# Allegro board HB1A-AAFM.brd (continued)
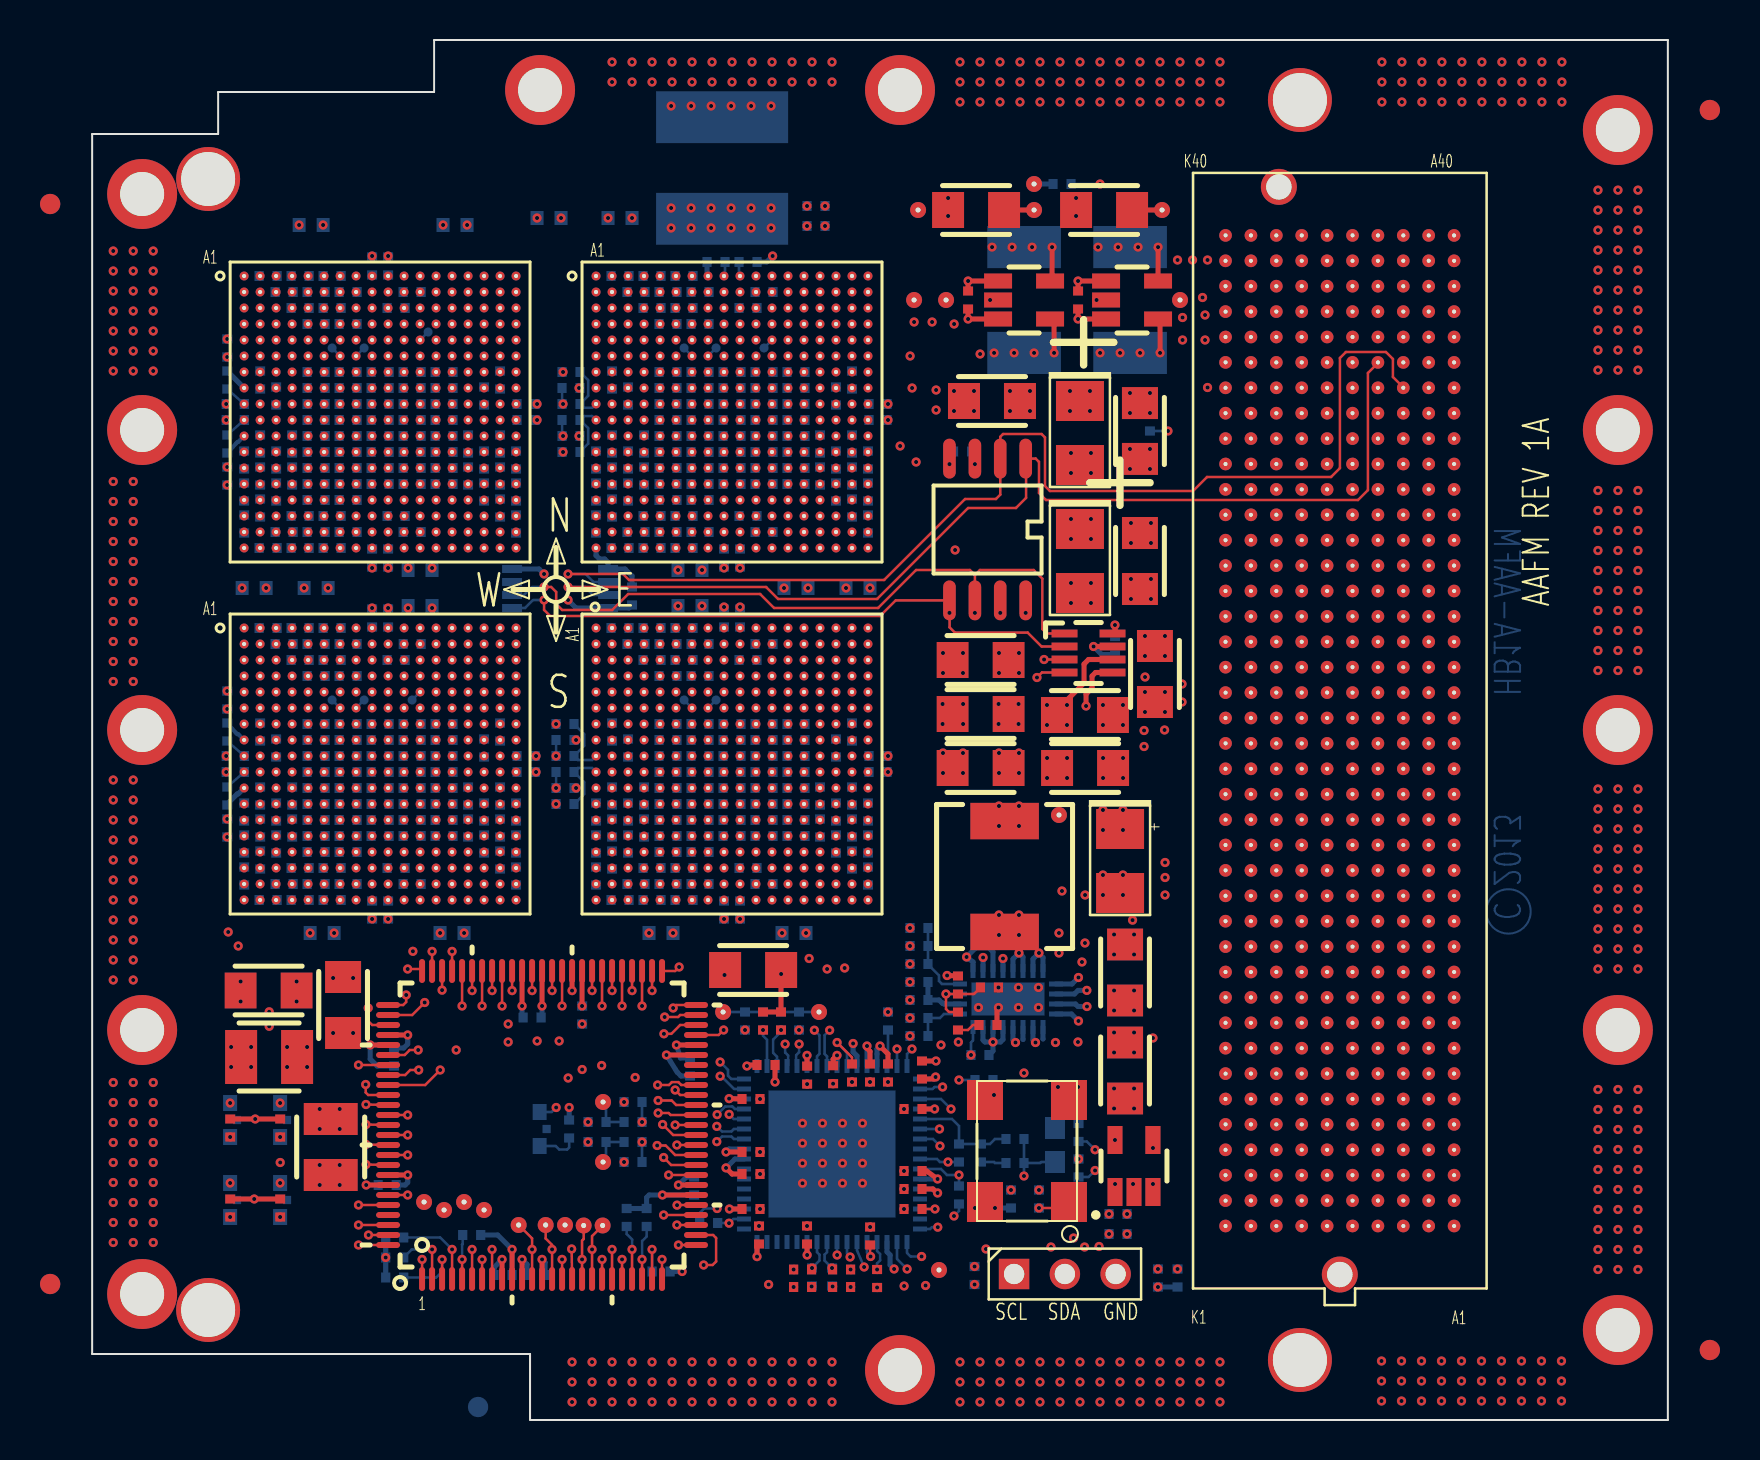
[diagram p0: board, top side]
## Routing (per net, layer and track width the routed paths; a pad name or vN(x,y) marks a point on that pad's centre or on a via; arc(x,y) is an arc through that point) (continued)
UL_UR_EW_DATA_N_4: length 29.3
  SIGNAL_L5-X w0.114: U4.R1 24.6,46 24.23,45.63 24.23,44.17 23.59,43.52 22.82,43.52 22.25,44.1 22.25,49.4 22.64,49.79 22.64,50.96 22.46,51.14 22.46,51.84 22.3,52 21.8,52 21.6,51.8 21.6,46.6 21.4,46.4 21,46.4 20.8,46.6 20.8,53.4 20.6,53.6 19.2,53.6 U3.E15
UL_UR_EW_DATA_N_5: length 29.5
  SIGNAL_L5-X w0.114: U3.D16 20,54.4 21.5,54.4 21.82,54.08 21.82,53.55 21.97,53.4 22.15,53.4 22.26,53.51 22.26,57.16 22.35,57.25 22.55,57.25 22.7,57.1 22.7,56.8 22.8,56.7 23.05,56.7 23.15,56.8 23.15,57.15 23.25,57.25 23.45,57.25 23.58,57.12 23.58,53.4 22.92,52.74 22.92,51.31 23.08,51.15 23.08,50.41 23.2,50.29 23.48,50.29 23.6,50.17 23.6,49.93 23.48,49.81 23.2,49.81 23.08,49.69 23.08,49.51 22.69,49.11 22.69,44.31 23.04,43.96 23.4,43.96 23.79,44.35 23.79,46.09 24.9,47.2 25.6,47.2 U4.P2
UL_UR_EW_DATA_N_6: length 29.4
  SIGNAL_L5-X w0.114: U3.C17 20.8,55.2 21.5,55.2 21.82,55.52 21.82,58.62 21.91,58.7 22.09,58.7 22.2,58.6 22.2,58.02 22.3,57.92 22.52,57.92 22.6,58 22.6,58.6 22.7,58.7 22.9,58.7 23,58.6 23,58.02 23.1,57.92 23.32,57.92 23.4,58 23.4,58.6 23.5,58.7 23.67,58.7 23.78,58.59 23.78,58.02 24,57.8 24.45,57.8 24.6,57.65 24.59,57.65 24.59,56.5 24.48,56.38 24.22,56.38 24.1,56.26 24.1,56.02 24.22,55.9 24.48,55.9 24.59,55.78 24.59,55.54 24.48,55.42 24.22,55.42 24.1,55.3 24.1,55.06 24.22,54.94 24.48,54.94 24.59,54.82 24.59,54.58 24.48,54.46 24.22,54.46 24.1,54.34 24.1,54.1 24.22,53.98 24.48,53.98 24.59,53.86 24.59,53.25 23.96,52.62 23.96,51.34 24.59,50.7 24.59,49.6 24.75,49.45 24.75,49 24.55,48.8 24.21,48.8 24.2,48.79 24.19,48.79 23.94,48.54 23.94,47.46 24.1,47.3 24.28,47.3 24.48,47.5 24.48,47.93 24.75,48.2 24.75,48.6 24.95,48.8 26.2,48.8 26.4,48.6 26.4,48.2 26.6,48 U4.N3
UL_UR_EW_DATA_N_7: length 29.2
  SIGNAL_L5-X w0.114: U3.B18 20.8,56.8 20.8,57.85 20.3,58.35 20.3,58.65 20.62,58.97 21.37,58.97 21.62,59.22 26.33,59.22 26.55,59 26.55,58.05 27.2,57.4 27.2,56.2 27,56 25.8,56 25.6,55.8 25.6,55.4 25.8,55.2 27,55.2 27.2,55 27.2,54.6 27,54.4 25.8,54.4 25.6,54.2 25.6,53.8 25.8,53.6 27,53.6 27.2,53.4 27.2,53.02 26.98,52.8 25.8,52.8 25.6,52.6 25.6,50.6 25.8,50.4 27.8,50.4 28,50.2 28,48.8 U4.M4
UL_UR_EW_DATA_P_0: length 29.3
  SIGNAL_L5-X w0.114: U4.T1 24.68,44.68 24.68,43.99 23.77,43.08 22.64,43.08 21.78,43.94 21.78,44.52 21.5,44.8 21,44.8 20.8,45 20.8,45.4 20.6,45.6 20.2,45.6 20,45.8 20,46.2 19.8,46.4 19.4,46.4 19.2,46.6 19.2,47 19,47.2 18.6,47.2 18.4,47.4 18.4,47.8 18.2,48 17.8,48 17.6,48.2 17.6,48.6 17.4,48.8 17,48.8 16.8,49 16.8,49.4 16.6,49.6 16.2,49.6 16,49.8 16,50.2 15.8,50.4 15.4,50.4 15.2,50.6 15.2,51 15,51.2 14.6,51.2 14.4,51.4 14.4,53.4 14.6,53.6 15,53.6 15.2,53.4 15.2,51.4 15.4,51.2 15.8,51.2 16,51.4 16,52.6 16.2,52.8 16.6,52.8 16.8,52.6 16.8,52.1 16.9,52 17.4,52 17.6,51.8 17.6,51.4 17.8,51.2 18.7,51.2 18.8,51.3 U3.H15
UL_UR_EW_DATA_P_1: length 29
  SIGNAL_L8-X w0.089: U3.G16 19.8,52 20,51.8 20,51.4 20.2,51.2 21.34,51.2 22.09,51.94 22.09,52.91 22.57,53.4 22.7,53.4 22.81,53.29 22.81,53.14 22.5,52.84 22.5,51.6 21.6,50.7 21.6,46.55 21.45,46.4 21,46.4 20.8,46.6 20.8,47 20.6,47.2 20.2,47.2 20,47.4 20,47.8 19.8,48 19.4,48 19.2,47.8 19.2,47.4 19.4,47.2 19.8,47.2 20,47 20,46.6 20.2,46.4 20.6,46.4 20.8,46.2 20.8,45.8 21,45.6 21.4,45.6 21.6,45.4 21.6,45 21.82,44.78 21.82,44.33 22.95,43.2 23.58,43.2 24.54,44.17 24.54,46.04 24.9,46.4 25.6,46.4 U4.R2
UL_UR_EW_DATA_P_2: length 29.2
  SIGNAL_L8-X w0.089: U4.P3 26.41,47.19 24.88,47.19 24.1,46.4 24.1,44.35 23.73,43.98 23.73,43.98 23.5,43.75 23.09,43.75 22.26,44.58 22.26,49.42 22.94,50.1 22.94,52.65 23.92,53.63 23.92,56.53 23.8,56.65 23.6,56.65 23.3,56.35 23.15,56.35 23.05,56.45 23.05,56.65 22.95,56.75 22.74,56.75 22.59,56.6 22.59,55.94 22.47,55.82 22.17,55.82 22.05,55.7 22.05,55.46 22.17,55.34 22.47,55.34 22.59,55.22 22.59,54.98 22.47,54.86 22.17,54.86 22.05,54.74 22.05,54.5 22.17,54.38 22.47,54.38 22.59,54.26 22.59,54.04 21.35,52.8 20.8,52.8 U3.F17
UL_UR_EW_DATA_P_3: length 29.5
  SIGNAL_L8-X w0.089: U3.E18 20.78,54.41 20.78,57.45 20.99,57.66 21.43,57.66 21.86,58.09 24.18,58.09 24.58,57.69 24.58,52.77 24.8,52.55 24.8,52.2 24.6,52 24.14,52 23.94,51.8 23.94,51.45 24.2,51.19 24.2,50.1 23.94,49.84 23.94,48.07 22.92,47.05 22.92,45.43 23.05,45.3 23.3,45.3 23.44,45.44 23.44,46.8 24.75,48.11 24.75,48.6 24.95,48.8 25.4,48.8 25.6,48.6 25.6,48.2 25.8,48 27.2,48 U4.N4
UL_UR_EW_DATA_P_4: length 29.1
  SIGNAL_L8-X w0.089: U3.F15 19.2,52.8 19.8,52.8 20,52.6 20,52.2 20.2,52 21.45,52 21.59,52.13 21.59,52.72 22.81,53.95 22.81,55.85 23.06,56.1 23.5,56.1 23.7,55.9 23.7,55.61 23.58,55.49 23.32,55.49 23.2,55.37 23.2,55.13 23.32,55.01 23.58,55.01 23.7,54.89 23.7,54.67 23.58,54.55 23.27,54.55 23.15,54.43 23.15,54.19 23.27,54.07 23.58,54.07 23.7,53.95 23.7,53.73 22.72,52.75 22.72,50.6 22.52,50.4 22.05,50.4 21.82,50.17 21.82,45.17 22.04,44.95 22.04,44.46 23.03,43.47 23.53,43.47 24.32,44.26 24.32,46.23 24.89,46.8 U4.P1
UL_UR_EW_DATA_P_5: length 29.4
  SIGNAL_L8-X w0.089: U4.N2 25.6,47.8 25.4,48 25,48 23.66,46.66 23.66,44.71 23.38,44.43 23.03,44.43 22.7,44.76 22.7,47.84 22.82,47.96 22.98,47.96 23.1,48.08 23.1,48.32 22.98,48.44 22.82,48.44 22.7,48.56 22.7,49.05 23.95,50.3 23.95,51.13 23.7,51.38 23.7,51.95 23.95,52.2 23.95,52.97 24.36,53.38 24.36,57.6 24.09,57.87 21.95,57.87 21.59,57.5 21.59,53.78 21.4,53.6 20.2,53.6 20,53.8 U3.E16
UL_UR_EW_DATA_P_6: length 29.4
  SIGNAL_L5-X w0.114: U3.D17 20,55.2 20,57.5 19.85,57.65 19.55,57.65 19.45,57.75 19.45,58 19.55,58.1 19.9,58.1 20,58.2 20,58.8 20.39,59.19 21.19,59.19 21.44,59.44 26.45,59.44 26.87,59.02 26.87,58.33 27.35,57.85 27.75,57.85 28,57.6 28,53 27.8,52.8 27.4,52.8 27.2,52.6 27.2,52.2 27,52 26.6,52 26.4,51.8 26.4,51.4 26.6,51.2 28.6,51.2 28.8,51 28.8,48.2 28.6,48 27.2,48 U4.M3
UL_UR_EW_DATA_P_7: length 29.3
  SIGNAL_L5-X w0.114: U3.C18 21.6,56 21.6,57.45 21.45,57.6 21.2,57.6 21.05,57.75 21.05,57.95 21.15,58.05 21.4,58.05 21.5,58.15 21.5,58.7 21.8,59 26.05,59 26.19,58.86 26.19,58.69 26.05,58.55 24.25,58.55 24.15,58.45 24.15,58.25 24.25,58.15 26.05,58.15 26.2,58 26.2,57.75 26.03,57.59 25,57.59 24.81,57.4 24.81,57 25.02,56.8 25.4,56.8 25.6,56.6 25.6,56.2 25.4,56 25,56 24.81,55.81 24.81,55.4 25.02,55.2 25.4,55.2 25.6,55 25.6,54.6 25.4,54.4 25,54.4 24.81,54.22 24.81,53.8 25.02,53.6 25.4,53.6 25.6,53.4 25.6,53.01 25.39,52.8 25,52.8 24.81,52.62 24.81,49.78 25,49.6 27.2,49.6 U4.L4
UL_UR_EW_FRAME_N: length 30.9
  SIGNAL_L12-X w0.089: U3.J15 18.35,51 18.15,51.2 14.6,51.2 14.4,51 14.4,50.6 14.6,50.4 15,50.4 15.2,50.2 15.2,49.8 15.4,49.6 15.8,49.6 16,49.4 16,49 16.2,48.8 16.6,48.8 16.8,48.6 16.8,48.25 17.05,48 17.4,48 17.6,47.8 17.6,47.4 17.8,47.2 18.2,47.2 18.4,47 18.4,46.6 18.6,46.4 19,46.4 19.2,46.2 19.2,45.8 19.4,45.6 19.8,45.6 20,45.4 20,45 20.2,44.8 20.6,44.8 20.8,44.6 20.8,44.2 21,44 21.4,44 22.7,42.7 23.7,42.7 25,44 25.4,44 25.6,44.2 25.6,44.6 25.8,44.8 26.2,44.8 26.4,45 26.4,45.4 26.6,45.6 27,45.6 27.2,45.8 27.2,46.2 27.4,46.4 27.8,46.4 28,46.6 28,47 28.2,47.2 28.6,47.2 28.8,47.4 28.8,47.85 28.65,48 26.6,48 26.4,48.2 U4.M2
UL_UR_EW_FRAME_P: length 30.7
  SIGNAL_L8-X w0.089: U4.L2 26.65,49.6 27,49.6 27.2,49.8 27.2,51 27.4,51.2 27.8,51.2 27.98,51.38 27.98,57.41 27.53,57.87 26.83,57.87 25.73,58.97 19.52,58.97 18.85,58.3 17.6,58.3 16.8,57.5 16.8,52.2 17,52 17.4,52 17.6,51.8 17.6,51.45 17.85,51.2 18.15,51.2 18.4,50.95 18.4,50.55 U3.K15
UL_UR_EW_LCLK_N: length 29
  SIGNAL_L8-X w0.089: U3.F18 21.55,53.4 21.8,53.66 21.8,56.1 21.92,56.22 22.25,56.22 22.37,56.34 22.37,56.58 22.25,56.7 21.92,56.7 21.8,56.82 21.8,57.3 22,57.5 22.15,57.5 22.3,57.35 22.3,57.1 22.44,56.96 22.61,56.96 22.75,57.1 22.75,57.55 22.85,57.65 23.05,57.65 23.15,57.55 23.15,57.05 23.29,56.91 23.5,56.91 23.65,57.06 23.65,57.5 23.8,57.65 24,57.65 24.14,57.51 24.14,53.54 23.16,52.56 23.16,49.88 22.48,49.2 22.48,44.67 23.09,44.06 23.49,44.06 23.64,44.2 23.64,44.2 23.88,44.44 23.88,46.53 24.8,47.45 U4.N1
UL_UR_EW_LCLK_P: length 29.2
  SIGNAL_L12-X w0.089: U3.G18 21.4,52 21.6,51.8 21.6,51.45 21.85,51.2 21.85,50.05 21.4,49.6 21,49.6 20.8,49.4 20.8,49 20.6,48.8 19.4,48.8 19.2,49 19.2,49.4 19,49.6 17.03,49.6 16.8,49.37 16.8,49 17,48.8 17.4,48.8 17.6,48.6 17.6,48.2 17.8,48 18.2,48 18.4,47.8 18.4,47.4 18.6,47.2 19,47.2 19.2,47 19.2,46.6 19.4,46.4 19.8,46.4 20,46.2 20,45.8 20.2,45.6 20.6,45.6 20.8,45.4 20.8,45 21,44.8 21.4,44.8 21.6,44.6 21.6,44.11 22.79,42.92 23.51,42.92 24.8,44.21 24.8,44.6 25,44.8 25.4,44.8 25.6,45 25.6,45.4 25.8,45.6 26.2,45.6 26.4,45.8 26.4,46.2 26.6,46.4 27,46.4 27.2,46.6 27.2,47 27,47.2 26.6,47.2 26.4,47.4 26.4,47.8 26.2,48 25.6,48 U4.M1
UL_UR_EW_RD_WAIT_N: length 29.4
  SIGNAL_L8-X w0.089: U4.K2 25.6,50.4 25,50.4 24.8,50.6 24.8,51 25,51.2 25.4,51.2 25.6,51.4 25.6,52.65 25.45,52.8 24.95,52.8 24.8,52.95 24.8,53.45 24.95,53.6 25.45,53.6 25.6,53.75 25.6,54.25 25.45,54.4 24.95,54.4 24.8,54.55 24.8,55.05 24.95,55.2 25.45,55.2 25.6,55.35 25.6,55.85 25.45,56 24.95,56 24.8,56.15 24.8,56.65 24.95,56.8 25.4,56.8 25.6,57 25.6,57.4 25.35,57.65 25,57.65 24.34,58.31 21.76,58.31 21.35,57.9 21.15,57.9 21,58.05 21,58.2 20.9,58.3 20.7,58.3 20.55,58.15 20.55,57.7 20.45,57.6 20.25,57.6 20.1,57.75 20.1,58.15 20,58.25 19.85,58.25 19.2,57.6 19.2,56.95 19.35,56.8 19.85,56.8 20,56.65 20,56.15 19.85,56 19.35,56 19.2,55.85 19.2,55.35 19.35,55.2 19.85,55.2 20,55.05 20,54.55 19.85,54.4 19.35,54.4 19.2,54.25 19.2,53.8 19.4,53.6 19.8,53.6 20,53.4 20,53 20.2,52.8 U3.G17
UL_UR_EW_RD_WAIT_P: length 29.5
  SIGNAL_L12-X w0.089: U4.J2 26,50.5 26.09,50.41 26.26,50.41 26.4,50.55 26.4,51 26.6,51.2 27,51.2 27.2,51.4 27.2,51.8 27.4,52 27.8,52 28,52.2 28,54.2 27.8,54.4 27.4,54.4 27.2,54.6 27.2,55 27.4,55.2 27.8,55.2 28,55.4 28,55.8 27.8,56 27.4,56 27.2,56.2 27.2,56.6 27.4,56.8 27.8,56.8 28,57 28,57.45 27.59,57.86 27.26,57.86 26.58,58.53 21.97,58.53 21.31,57.87 20.96,57.87 20.74,57.65 20.25,57.65 20,57.4 20,57 20.2,56.8 20.6,56.8 20.8,56.6 20.8,56.2 20.6,56 20.2,56 20,55.8 20,55.45 20.25,55.2 20.6,55.2 20.8,55 20.8,54.6 20.6,54.4 20.2,54.4 20,54.2 20,53.8 20.2,53.6 20.6,53.6 20.8,53.4 20.8,53 20.6,52.8 20.2,52.8 20,52.6 20,51.7 20.1,51.6 U3.H17
UL_UR_EW_WR_WAIT_N: length 29.1
  SIGNAL_L15-X w0.114: U3.H16 19.2,51.8 19,52 17.8,52 17.6,52.2 17.6,57.75 18.65,58.8 18.95,58.8 19.81,59.66 25.15,59.66 25.4,59.41 26.55,59.41 27.25,58.71 27.25,58.15 28,57.4 28,53 27.8,52.8 27.4,52.8 27.2,52.6 27.2,49.75 U4.L3
UL_UR_EW_WR_WAIT_P: length 29.1
  SIGNAL_L8-X w0.089: U3.J16 19.2,51 19,51.2 18.6,51.2 18.4,51.4 18.4,51.8 18.2,52 17.8,52 17.6,52.2 17.6,54.2 17.8,54.4 18.2,54.4 18.4,54.6 18.4,55 18.2,55.2 17.8,55.2 17.6,55.4 17.6,55.8 17.8,56 18.2,56 18.4,56.2 18.4,56.6 18.2,56.8 17.8,56.8 17.6,57 17.6,57.45 18.23,58.08 19.05,58.08 19.73,58.75 24.52,58.75 25.18,58.09 25.53,58.09 25.75,57.87 26.24,57.87 26.46,57.65 26.95,57.65 27.2,57.4 27.2,51.4 27,51.2 26.6,51.2 26.4,51 26.4,50.4 U4.K3
UL_XID3: length 62.4
  TOP w0.127: U9.54 v1(27,21.47)
  SIGNAL_L15-X w0.114: U3.E7 12.4,54.01 12,54.4 12,55.8 11.8,56 7.2,56 6.08,54.88 6.08,46.48 4.7,45.1 4.7,38.27 5.91,37.08 5.91,25.9 8.2,23.6 13.68,23.6 14.3,22.98 16.03,22.98 16.63,22.38 26.09,22.38 v1(27,21.47)
UL_YID3: length 59.5
  TOP w0.127: U9.58 v1(25,21.47)
  SIGNAL_L11-Y w0.089: v1(25,21.47) 24.09,22.38 16.73,22.38 16.1,23 7.3,23 6.8,23.5 v1(6.8,24.4)
  SIGNAL_L12-X w0.089: v1(6.8,24.4) 6.2,24.4 5.55,25.06 5.55,37.72 5.13,38.13 5.13,45.52 5.45,45.84 5.45,52.75 6.3,53.6 13.6,53.6 14,53.2 U3.F9
UR_CCLK_N: length 2.9
  BOTTOM w0.127: R162.2 24.59,50.2 25,50.2 U4.K1 ; R162.2 24.8,49.59 24.8,48.81 24.4,48.41 R164.1 ; R162.2 24.35,50
UR_CCLK_P: length 2.9
  BOTTOM w0.127: R159.1 24.8,51.99 24.8,51.21 24.4,50.8 R161.2 24.59,50.61 25.01,50.61 U4.J1
UR_CSBI_XID0: length 56.6
  TOP w0.127: U9.61 v1(23.5,20.7)
  SIGNAL_L4-Y w0.114: v1(23.5,20.7) 23.5,22.02 24.58,23.1 34.2,23.1 35,23.9 35.91,23.9 37.41,25.4 39.2,25.4 39.3,25.5 40.83,27.02 40.83,46.18 40.02,46.98 40.02,48.53 40.02,48.54 40.02,48.86 40.02,48.87 40.02,49.02 40.6,49.6 40.6,52.9 v1(40.91,53.2)
  SIGNAL_L15-X w0.114: U4.F12 34,53.2 34.41,53.6 40.5,53.6 v1(40.91,53.2)
UR_CSBO_YID0: length 69.3
  TOP w0.127: U9.69 v1(19.5,20.7)
  SIGNAL_L4-Y w0.114: v1(19.5,20.7) 19.5,19.08 20.13,18.45 23.63,18.45 24.08,18.9 27.53,18.9 28.33,19.7 29.53,19.7 31.13,21.3 39.1,21.3 40.1,22.3 40.1,24.7 41.95,26.55 41.95,46.75 41.6,47.1 41.6,49 41.41,49.2 41.41,54.6 v1(41.1,54.9)
  SIGNAL_L12-X w0.089: v1(41.1,54.9) 40.5,54.9 40.17,55.23 33.03,55.23 32.8,55 32.8,54.4 32.41,54 U4.E10
UR_FLAG_DSP: length 82.9
  TOP w0.127: U9.7 v1(19.5,8.03)
  SIGNAL_L4-Y w0.114: v1(44.41,53.3) 45,52.7 45,46.7 44.41,46.1 44.41,43.5 44.88,43.02 44.88,39.98 44.5,39.6 44.5,30.9 43.7,30.1 43.7,25.6 42.8,24.7 42.8,23.34 43.45,22.69 43.45,20.65 41.66,18.85 41.66,11.47 41.25,11.07 30.25,11.07 29.88,10.7 29.88,9.6 29.55,9.28 28.88,9.28 27.85,10.3 20.95,10.3 19.95,9.3 19.73,9.3 19.5,9.07 v1(19.5,8.03)
  SIGNAL_L5-X w0.114: U4.E12 34,54 34.41,54.4 35.8,54.4 36,54.2 36,53.8 36.2,53.6 41.41,53.6 41.7,53.3 v1(44.41,53.3)
  BOTTOM w0.127: TP11.1 U4.E12
UR_LR_NS_DATA_N_0: length 49.6
  SIGNAL_L14-Y w0.114: U4.D11 33.6,54.6 33.8,54.4 34.2,54.4 34.4,54.6 34.4,55.8 34.6,56 36.6,56 36.8,55.8 36.8,55.4 37,55.2 37.4,55.2 37.6,55 37.6,54.6 37.8,54.4 38.2,54.4 38.4,54.2 38.4,25.8 36.5,23.9 28.9,23.9 U8.V3
UR_LR_NS_DATA_N_1: length 49.6
  SIGNAL_L7-Y w0.089: U4.C12 34.4,55.2 34.4,50.6 34.6,50.4 35.8,50.4 36,50.2 36,49.8 35.8,49.6 34.6,49.6 34.4,49.4 34.4,49 34.6,48.8 35.8,48.8 36,48.6 36,48.2 35.8,48 34.6,48 34.4,47.8 34.4,47.4 34.6,47.2 35.8,47.2 36,47 36,46.6 35.8,46.4 35.4,46.4 35.2,46.2 35.2,45.8 35.4,45.6 35.8,45.6 36,45.4 36,43.16 35.88,43.04 35.57,43.04 35.41,42.88 35.41,41.14 35.55,41 35.85,41 36,40.85 36,28.2 35.8,28 34.55,28 34.4,27.85 34.4,27.35 34.55,27.2 35.05,27.2 35.2,27.05 35.2,25.8 34.7,25.3 32.86,25.3 32.66,25.5 28.2,25.5 28,25.7 28,26.4 U8.U4
UR_LR_NS_DATA_N_2: length 49.5
  SIGNAL_L11-Y w0.089: U4.B13 34.4,56 34.4,50.6 34.2,50.4 27.4,50.4 27.18,50.19 27.18,43.21 27.06,43.09 26.87,43.09 26.75,42.97 26.75,42.73 26.87,42.61 27.06,42.61 27.18,42.49 27.18,42.25 27.06,42.13 26.87,42.13 26.75,42.01 26.75,41.77 26.87,41.65 27.06,41.65 27.18,41.53 27.18,41.31 27.06,41.19 26.87,41.19 26.75,41.07 26.75,40.83 26.87,40.71 27.06,40.71 27.18,40.59 27.18,40.45 26.95,40.22 26.95,40.05 27.18,39.81 27.18,35.4 27.38,35.2 31,35.2 31.2,35 31.2,34.6 31,34.4 30.6,34.4 30.4,34.2 30.4,33.8 30.6,33.6 31,33.6 31.2,33.4 31.2,33 31,32.8 30.6,32.8 30.4,32.6 30.4,32.2 30.6,32 31,32 31.2,31.8 31.2,31.4 31,31.2 27.35,31.2 27.18,31.04 27.18,27.31 27.3,27.2 28,27.2 U8.T5
UR_LR_NS_DATA_N_3: length 49.5
  SIGNAL_L4-Y w0.114: U4.A14 36,56.8 36,43.05 36.33,42.72 36.33,42.22 36.21,42.09 36.21,41.72 36.39,41.54 36.39,41.24 36.25,41.1 35.8,41.1 35.65,40.95 35.65,40.7 35.77,40.59 36.38,40.59 36.5,40.47 36.5,40.23 36.38,40.1 36.12,40.1 36,39.98 36,37.8 35.8,37.6 29.8,37.6 29.6,37.4 29.6,37 29.8,36.8 35.8,36.8 36,36.6 36,36.2 35.8,36 29.8,36 29.6,35.8 29.6,28.8 U8.R6
UR_LR_NS_DATA_N_4: length 49.3
  SIGNAL_L14-Y w0.114: U4.D13 34.6,54.4 34.4,54.2 34.4,45 34.6,44.8 35.8,44.8 36,44.6 36,44.2 35.8,44 34.6,44 34.4,43.8 34.4,43.4 34.58,43.22 35.94,43.22 36.05,43.1 36.05,42.17 36.25,41.97 36.25,41.25 36,41 36,40.7 36.25,40.45 36.25,40.2 36,39.95 36,37 35.78,36.78 35.38,36.78 35.2,36.6 35.2,36.2 35.4,36 35.8,36 36,35.8 36,35.4 35.8,35.2 35.4,35.2 35.2,35 35.2,34.6 35.4,34.4 35.8,34.4 36,34.2 36,33.8 35.8,33.6 35.4,33.6 35.2,33.4 35.2,33 35.4,32.8 35.8,32.8 36,32.6 36,32.2 35.8,32 35.4,32 35.2,31.8 35.2,31.4 35.4,31.2 35.8,31.2 36,31 36,30.6 35.8,30.4 35.4,30.4 35.2,30.2 35.2,29.8 35.4,29.6 35.8,29.6 36,29.4 36,29 35.8,28.8 35.4,28.8 35.2,28.6 35.2,28.2 35.4,28 35.8,28 36,27.8 36,25.6 35.62,25.22 33.48,25.22 32.9,24.64 31.06,24.64 30.4,25.3 29.1,25.3 U8.V5
UR_LR_NS_DATA_N_5: length 49.8
  SIGNAL_L14-Y w0.114: U8.U6 28.8,26.4 28.2,26.4 28,26.2 28,25.7 28.62,25.08 30.12,25.08 30.78,24.42 33.1,24.42 33.68,25 36,25 36.8,25.8 36.8,45.45 36.65,45.6 35.4,45.6 35.2,45.8 35.2,46.2 35.4,46.4 36.6,46.4 36.8,46.6 36.8,47 36.6,47.2 35.4,47.2 35.2,47.4 35.2,47.8 35.4,48 36.6,48 36.8,48.2 36.8,48.6 36.6,48.8 35.4,48.8 35.2,49 35.2,49.4 35.4,49.6 35.8,49.6 36,49.8 36,50.2 35.8,50.4 35.4,50.4 35.2,50.6 35.2,55.2 U4.C14
UR_LR_NS_DATA_N_6: length 49.5
  SIGNAL_L11-Y w0.089: U8.T7 29.6,27.2 28.92,27.2 28.8,27.32 28.8,29.4 29,29.6 32.6,29.6 32.8,29.8 32.8,36.6 32.6,36.8 29,36.8 28.8,37 28.8,47 29,47.2 33.4,47.2 33.6,47.4 33.6,47.8 33.4,48 31.4,48 31.2,48.2 31.2,48.6 31.4,48.8 35.8,48.8 36,49 36,56 U4.B15
UR_LR_NS_DATA_N_7: length 49.4
  SIGNAL_L4-Y w0.114: U4.A16 37.6,56.8 37.6,43.16 37.48,43.04 37.22,43.04 37.1,42.92 37.1,42.68 37.22,42.56 37.48,42.56 37.6,42.44 37.6,42.2 37.48,42.08 37.22,42.08 37.1,41.96 37.1,41.25 37.2,41.15 37.6,41.15 37.95,40.8 37.95,40.25 37.6,39.9 37.6,33 37.4,32.8 31.4,32.8 31.2,32.6 31.2,32.2 31.4,32 37.4,32 37.6,31.8 37.6,31.4 37.4,31.2 31.4,31.2 31.2,31 31.2,28.8 U8.R8
UR_LR_NS_DATA_P_0: length 49.3
  SIGNAL_L14-Y w0.114: U4.D12 33.6,55.2 33.6,57.4 33.19,57.81 31.26,57.81 31.07,58 30.79,58 30.59,57.81 30.3,57.81 30.11,58 29.82,58 29.63,57.81 29.34,57.81 29.15,58 28.86,58 28.67,57.81 28.38,57.81 28.2,58 27.91,58 27.71,57.81 27.42,57.81 27.23,58 26.95,58 26.75,57.81 26.46,57.81 26.27,58 25.98,58 25.8,57.81 24.91,57.81 24.58,57.48 24.58,52.72 24.74,52.56 24.74,50.39 23.95,49.6 23.95,43.15 24.3,42.8 24.3,36.45 24.75,36 25.41,36 25.6,35.8 25.6,30.6 25.6,30.6 25.8,30.4 26.2,30.4 26.41,30.2 26.41,29.8 26.2,29.6 25.8,29.6 25.6,29.4 25.6,27.41 25.8,27.2 27,27.2 27.2,27 27.2,26.6 27,26.4 26.4,26.4 U8.V2
UR_LR_NS_DATA_P_1: length 49.6
  SIGNAL_L7-Y w0.089: U8.U3 26.4,26.4 26.4,25.65 27.15,24.9 30.4,24.9 30.9,24.4 33.1,24.4 33.48,24.78 35.78,24.78 36.8,25.8 36.8,51 36.6,51.2 35.4,51.2 35.2,51.4 35.2,51.8 35.4,52 36.6,52 36.8,52.2 36.8,52.6 36.6,52.8 35.4,52.8 35.2,53 35.2,53.4 35.4,53.6 36.6,53.6 36.8,53.8 36.8,54.2 36.6,54.4 35.4,54.4 35.2,54.6 35.2,55.2 U4.C13
UR_LR_NS_DATA_P_2: length 49.5
  SIGNAL_L11-Y w0.089: U4.B14 35.2,56 35.2,49.8 35,49.6 28.2,49.6 28,49.4 28,49 28.2,48.8 30.2,48.8 30.4,48.6 30.4,48.2 30.2,48 28.2,48 28,47.8 28,43.22 27.88,43.09 27.67,43.09 27.55,42.98 27.55,42.73 27.67,42.62 27.88,42.62 28,42.49 28,42.05 27.8,41.85 27.8,41.35 28,41.15 28,40.7 27.88,40.59 27.62,40.59 27.5,40.47 27.5,40.23 27.62,40.1 27.88,40.1 28,39.98 28,36.2 28.2,36 31.8,36 32,35.8 32,30.6 31.8,30.4 28.2,30.4 28,30.2 28,28 U8.T4
UR_LR_NS_DATA_P_3: length 49.6
  SIGNAL_L4-Y w0.114: U8.R5 28.8,28.8 28.8,38.2 29,38.4 35,38.4 35.2,38.6 35.2,39 35,39.2 29,39.2 28.8,39.4 28.8,39.74 29.04,39.98 34.98,39.98 35.2,40.2 35.2,42.49 35.32,42.62 35.48,42.62 35.6,42.73 35.6,42.98 35.48,43.09 35.32,43.09 35.2,43.22 35.2,57.4 35.4,57.6 36,57.6 U4.A15
UR_LR_NS_DATA_P_4: length 49.5
  SIGNAL_L14-Y w0.114: U4.D14 36,54.4 37.4,54.4 37.6,54.2 37.6,53.8 37.4,53.6 36.2,53.6 36,53.4 36,53 36.2,52.8 37.4,52.8 37.6,52.6 37.6,52.2 37.4,52 36.2,52 36,51.8 36,51.4 36.2,51.2 37.4,51.2 37.6,51 37.6,50.55 37.45,50.4 36.95,50.4 36.8,50.25 36.8,49.8 37,49.6 37.4,49.6 37.6,49.4 37.6,42.5 37.25,42.15 37.25,41.2 37.6,40.85 37.6,25.4 36.94,24.74 33.84,24.74 33.3,24.2 30.5,24.2 29.84,24.86 28.34,24.86 27.6,25.6 U8.V4
UR_LR_NS_DATA_P_5: length 49.8
  SIGNAL_L7-Y w0.089: U8.U5 28,27.2 28,40.09 27.88,40.21 27.72,40.21 27.6,40.33 27.6,40.57 27.72,40.69 27.88,40.69 28,40.81 28,41.15 27.7,41.45 27.7,41.75 28,42.05 28,42.35 27.88,42.47 27.67,42.47 27.55,42.59 27.55,42.83 27.67,42.95 27.88,42.95 28,43.07 28,44.6 28.2,44.8 29.4,44.8 29.6,45 29.6,45.4 29.4,45.6 28.2,45.6 28,45.8 28,46.2 28.2,46.4 29.4,46.4 29.6,46.6 29.6,47 29.4,47.2 28.2,47.2 28,47.4 28,57.6 28.5,58.1 30.7,58.1 31.2,58.6 31.5,58.6 31.75,58.35 32.05,58.35 32.05,58.36 32.29,58.6 34.33,58.6 34.83,58.1 36.2,58.1 36.8,57.5 36.8,56 U4.C15
UR_LR_NS_DATA_P_6: length 49.5
  SIGNAL_L11-Y w0.089: U4.B16 36.8,56 36.8,48.2 36.6,48 34.6,48 34.4,47.8 34.4,47.4 34.6,47.2 36.6,47.2 36.8,47 36.8,46.6 36.6,46.4 31.4,46.4 31.2,46.2 31.2,45.8 31,45.6 30.6,45.6 30.4,45.8 30.4,46.2 30.2,46.4 29.8,46.4 29.6,46.2 29.6,43 29.9,42.7 29.9,42.22 29.7,42.02 29.7,41.74 29.9,41.54 29.9,40.2 29.6,39.9 29.6,37.8 29.8,37.6 33.4,37.6 33.6,37.4 33.6,29 33.4,28.8 29.8,28.8 29.6,28.6 29.6,28 U8.T6
UR_LR_NS_DATA_P_7: length 49.5
  SIGNAL_L4-Y w0.114: U4.A17 37.6,57.6 37,57.6 36.8,57.4 36.8,41.15 37.3,40.65 37.3,40.4 36.8,39.9 36.8,35.4 36.6,35.2 30.6,35.2 30.4,35 30.4,34.6 30.6,34.4 36.6,34.4 36.8,34.2 36.8,33.8 36.6,33.6 30.6,33.6 30.4,33.4 30.4,28.8 U8.R7
UR_LR_NS_FRAME_N: length 49.4
  SIGNAL_L7-Y w0.089: U8.U8 30.4,27.2 29,27.2 28.8,27.4 28.8,41.34 28.92,41.47 29.21,41.47 29.35,41.6 29.35,41.8 29.2,41.95 28.92,41.95 28.8,42.06 28.8,43.8 29,44 30.2,44 30.4,44.2 30.4,49.4 30.2,49.6 29,49.6 28.8,49.8 28.8,50.2 29,50.4 31,50.4 31.2,50.6 31.2,51 31,51.2 29,51.2 28.8,51.4 28.8,51.8 29,52 31,52 31.2,52.2 31.2,52.6 31,52.8 29,52.8 28.8,53 28.8,53.4 29,53.6 31,53.6 31.2,53.8 31.2,54.2 31,54.4 29,54.4 28.8,54.6 28.8,55 29,55.2 31.2,55.2 U4.D9
UR_LR_NS_FRAME_P: length 49.6
  SIGNAL_L7-Y w0.089: U4.D10 32,54.4 32,49.8 31.8,49.6 31.4,49.6 31.2,49.4 31.2,43.25 30.95,43 30.1,43 29.85,42.75 29.85,42.13 29.98,42 30.9,42 31.05,41.85 31.05,41.65 30.93,41.53 29.97,41.53 29.85,41.41 29.85,40.5 29.6,40.25 29.6,33 29.8,32.8 31.8,32.8 32,32.6 32,32.2 31.8,32 29.8,32 29.6,31.8 29.6,31.4 29.8,31.2 31.8,31.2 32,31 32,30.6 31.8,30.4 29.75,30.4 29.6,30.25 29.6,29.8 29.8,29.6 31.8,29.6 32,29.4 32,29 31.8,28.8 29.8,28.8 29.6,28.6 29.6,28.2 29.8,28 31.8,28 32,27.8 32,26.6 31.8,26.4 30.4,26.4 U8.U7
UR_LR_NS_LCLK_N: length 49.5
  SIGNAL_L4-Y w0.114: U8.V7 29.5,25.5 27.4,25.5 27.2,25.7 27.2,40.5 27.4,40.7 27.4,40.98 27.2,41.18 27.2,42.45 27.65,42.9 31.1,42.9 31.3,43.1 33.3,43.1 33.6,43.4 33.6,54.2 33.4,54.4 32.2,54.4 32,54.6 32,55 32.2,55.2 33.4,55.2 33.6,55.4 33.6,55.8 33.4,56 30.6,56 30.4,56.2 30.4,56.6 30.6,56.8 33.6,56.8 U4.A12
UR_LR_NS_LCLK_P: length 49.5
  SIGNAL_L4-Y w0.114: U8.V6 28.8,26.4 28.2,26.4 28,26.6 28,40.05 28.16,40.2 33.7,40.2 33.9,40.4 33.9,41 33.7,41.2 28.8,41.2 28.6,41.4 28.6,41.9 28.8,42.1 29.88,42.1 30.04,41.95 30.04,41.77 30.15,41.65 30.39,41.65 30.51,41.77 30.51,41.95 30.63,42.07 30.88,42.07 30.99,41.95 30.99,41.77 31.11,41.65 31.35,41.65 31.47,41.77 31.47,42.03 31.59,42.15 33.85,42.15 34,42.3 34,42.8 34.4,43.2 34.4,56.8 U4.A13
UR_LR_NS_RD_WAIT_N: length 49.5
  SIGNAL_L11-Y w0.089: U4.B11 32.8,56 32.8,52.24 32.55,52 25.8,52 25.6,51.8 25.6,43.06 25.48,42.94 25.12,42.94 25,42.82 25,42.58 25.12,42.46 25.48,42.46 25.6,42.34 25.6,41.02 25.25,40.67 25.25,40.43 25.6,40.08 25.6,33.8 25.8,33.6 27,33.6 27.2,33.4 27.2,33 27,32.8 25.8,32.8 25.6,32.6 25.6,25.79 25.88,25.5 31.8,25.5 32,25.7 32,26.4 U8.U10
UR_LR_NS_RD_WAIT_P: length 49.5
  SIGNAL_L11-Y w0.089: U4.B12 33.6,56 33.6,51.4 33.4,51.2 26.6,51.2 26.4,51 26.4,41.8 26.28,41.69 26.07,41.69 25.95,41.56 25.95,41.33 26.07,41.2 26.28,41.2 26.4,41.09 26.4,40.84 26.28,40.73 26.07,40.73 25.95,40.6 25.95,40.37 26.07,40.24 26.28,40.24 26.4,40.12 26.4,34.6 26.6,34.4 29.4,34.4 29.6,34.2 29.6,32.2 29.4,32 26.6,32 26.4,31.8 26.4,26.6 26.6,26.4 31.2,26.4 U8.U9
UR_LR_NS_WR_WAIT_N: length 49.4
  SIGNAL_L14-Y w0.114: U8.T9 32,27.2 35,27.2 35.2,27.4 35.2,27.8 35,28 33.8,28 33.6,28.2 33.6,28.6 33.8,28.8 35,28.8 35.2,29 35.2,29.4 35,29.6 33.8,29.6 33.6,29.8 33.6,30.2 33.8,30.4 35,30.4 35.2,30.6 35.2,31 35,31.2 33.8,31.2 33.6,31.4 33.6,31.8 33.8,32 35,32 35.2,32.2 35.2,32.6 35,32.8 34.6,32.8 34.4,33 34.4,33.4 34.6,33.6 35,33.6 35.2,33.8 35.2,34.2 35,34.4 34.6,34.4 34.4,34.6 34.4,35 34.6,35.2 35,35.2 35.2,35.4 35.2,35.8 35,36 34.6,36 34.4,36.2 34.4,36.6 34.6,36.8 35,36.8 35.2,37 35.2,37.4 35,37.6 34.6,37.6 34.4,37.8 34.4,38.2 34.6,38.4 35,38.4 35.2,38.6 35.2,39 35,39.2 34.6,39.2 34.4,39.4 34.4,39.8 34.6,40 35.45,40 35.65,40.2 35.65,41.14 35.53,41.26 35.12,41.26 35,41.38 35,41.62 35.12,41.74 35.34,41.74 35.45,41.85 35.45,42.84 35.3,42.99 34,42.99 33.6,43.4 33.6,54.2 33.4,54.4 33,54.4 32.8,54.6 32.8,55.2 U4.C10
UR_LR_NS_WR_WAIT_P: length 49.3
  SIGNAL_L14-Y w0.114: U8.T8 30.4,27.8 30.2,28 29.8,28 29.6,28.2 29.6,28.6 29.4,28.8 29,28.8 28.8,29 28.8,29.4 29,29.6 30.2,29.6 30.4,29.8 30.4,30.2 30.2,30.4 29,30.4 28.8,30.6 28.8,40.41 28.55,40.66 28.55,40.9 28.8,41.15 28.8,42.65 29.6,43.45 29.6,52.6 29.4,52.8 29,52.8 28.8,53 28.8,53.4 29,53.6 29.4,53.6 29.6,53.8 29.6,54.2 29.4,54.4 29,54.4 28.8,54.6 28.8,55 29,55.2 29.4,55.2 29.6,55.4 29.6,56.6 29.4,56.8 26.6,56.8 26.4,57 26.4,57.39 26.6,57.59 31,57.59 31.2,57.39 31.2,57 31.4,56.8 31.8,56.8 32,57 32,57.4 32.19,57.59 32.61,57.59 32.8,57.4 32.8,56 U4.C11
UR_LR_SN_DATA_N_0: length 29.2
  SIGNAL_L5-X w0.114: U4.R12 34.2,46.4 34.4,46.6 34.4,47 34.6,47.2 35,47.2 35.2,47.4 35.2,49.4 35.4,49.6 36.6,49.6 36.8,49.8 36.8,50.2 36.6,50.4 35.4,50.4 35.2,50.6 35.2,51 35,51.2 33,51.2 32.8,51 32.8,50.6 32.6,50.4 32.2,50.4 32,50.2 32,49.8 31.8,49.6 31.4,49.6 31.2,49.4 31.2,49 31,48.8 30.6,48.8 30.4,48.6 30.4,48.2 30.2,48 29.8,48 29.6,47.8 29.6,47.4 29.4,47.2 29,47.2 28.8,47 28.8,46.6 28.6,46.4 28.2,46.4 28,46.2 28,45.8 27.8,45.6 27.4,45.6 27.2,45.4 27.2,45 27,44.8 26.6,44.8 26.4,44.6 26.4,44.2 26.2,44 25.8,44 25.6,43.8 25.6,43.4 25.1,42.9 24.8,42.9 24.3,42.4 24.3,40.8 25,40.1 25.3,40.1 25.5,39.9 25.7,39.9 U8.A2
UR_LR_SN_DATA_N_1: length 29.1
  SIGNAL_L5-X w0.114: U4.T13 34.4,44.8 29.8,44.8 29.6,45 29.6,45.4 29.8,45.6 30.2,45.6 30.4,45.8 30.4,46.2 30.6,46.4 31,46.4 31.2,46.6 31.2,47 31.4,47.2 32.6,47.2 32.8,47.4 32.8,48.6 32.6,48.8 32.2,48.8 32,48.6 32,48.2 31.8,48 31.4,48 31.2,47.8 31.2,47.4 31,47.2 30.6,47.2 30.4,47 30.4,46.6 30.21,46.41 29.81,46.41 29.6,46.2 29.6,45.8 29.4,45.6 29,45.6 28.8,45.4 28.8,45 28.6,44.8 28.2,44.8 28,44.6 28,44.2 27.8,44 27.4,44 27.2,43.8 27.2,43 27,42.8 25.63,42.8 24.9,42.07 24.9,41.12 25.68,40.34 26.66,40.34 27.2,39.8 27.2,39.2 U8.B3